# KiCad board RADAR_Main_Board.kicad_pcb (continued)
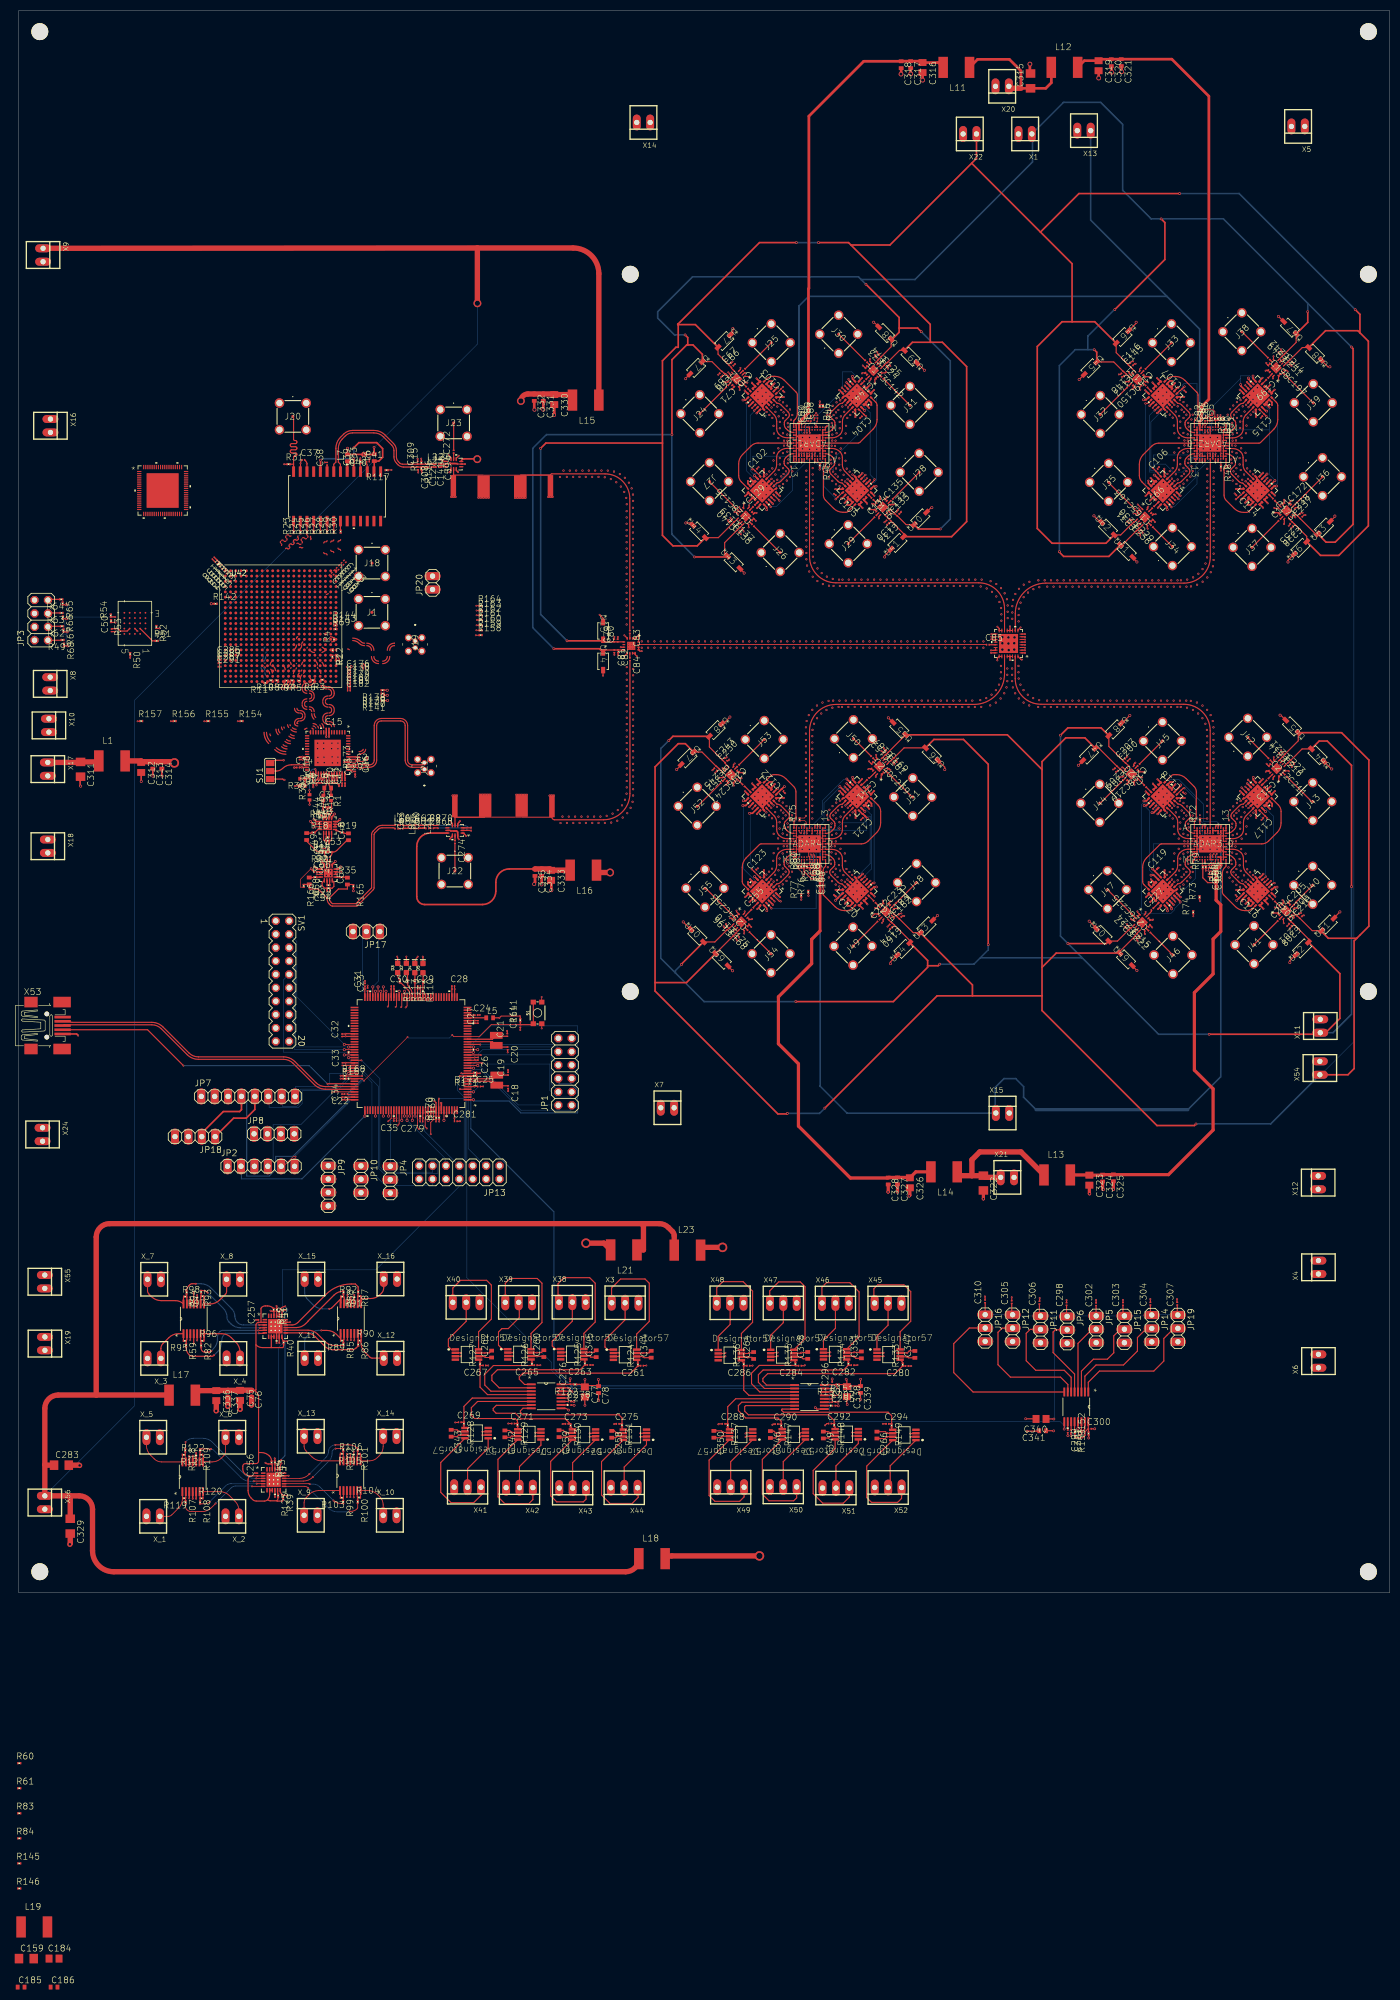
[diagram p0: board, top side]
## Routing (per net, layer and track width the routed paths; a pad name or vN(x,y) marks a point on that pad's centre or on a via; arc(x,y) is an arc through that point) (continued)
+3V4: length 1206.2
  Top w0.1: 171,125.15 171,125.15 U53.1
  Top w0.2: RF_SW_9.8 212.12,125.05 C224.1 211.7,124.52 C217.1 208.85,121.61 U49.1 ; RF_SW_1.8 136.86,202.03 C139.1 136.24,201.43 C140.1 133.9,199.11 133.9,197.1 U43.1 ; RF_SW_8.8 238.96,233.78 C251.1 240.09,234.91 C244.1 242.3,237.09 U67.1 ; U47.1 204.89,160.15 C209.1 208.36,156.72 C202.1 208.99,156.24 RF_SW_11.8 ; U53.1 169.66,125.16 C162.1 167,127.78 C183.1 166.49,128.23 RF_SW_14.8 ; RF_SW_2.8 165.38,205.39 C132.1 166.57,204.19 C133.1 168.32,202.53 U40.1 ; RF_SW_7.8 210.05,231.13 C147.1 209.57,231.57 C148.1 207.7,233.37 U45.1 ; RF_SW_10.8 242.36,128.36 C203.1 242.98,127.88 C210.1 245.35,125.55 U51.1 ; U57.1 129.6,159.42 C245.1 132.37,156.7 C252.1 132.85,156.28 RF_SW_15.8 ; U55.1 168.21,162.66 C169.1 164.47,158.92 C161.1 163.72,158.23 RF_SW_16.8 ; RF_SW_3.8 134.1,231.15 C68.1 133.43,231.59 C69.1 131.49,233.44 U17.1 ; U14.1 111.32,178.77 C81.1 C82.1 114.76,178.77 U$1.8 ; U61.1 209.34,198.7 C231.1 212.1,201.4 C230.1 212.55,201.83 RF_SW_5.8 ; RF_SW_4.8 163.05,233.78 C124.1 C125.1 165.49,236.26 U38.1 ; U59.1 135.47,124.51 C196.1 135.53,124.55 C170.1 136.01,125.09 RF_SW_13.8 ; U65.1 242.7,161.55 C223.1 240.18,158.98 C216.1 239.7,158.47 RF_SW_12.8 ; U63.1 245.97,200.77 C237.1 242.62,204.12 C238.1 242.57,204.15 RF_SW_6.8
  Top w0.3: v3(160.7,248.1) 167,241.8 167,239.8 ; U14.1 110.15,179 v3(101.5,179) ; 180.9,113.2 174.2,113.2 v3(152.9,91.9) ; 180.9,113.2 194.1,113.2 ; 180.9,113.2 180.9,115.26 171,125.15 U53.1 ; U63.1 247.97,199.2 249.7,199.2 253.1,202.6 253.1,235.9 v3(252.8,236.2) ; v3(204,235.7) 204.47,235.23 U45.1 ; 126.9,236.6 126.7,236.6 123.9,233.8 v3(123.9,219.6) ; 126.9,236.6 126.9,238 v3(126.4,238.5) ; 126.9,236.6 127.9,236.6 129.68,234.82 U17.1 ; v3(145.8,90.9) 145.7,90.8 144,90.8 120.7,114.1 120.7,115.7 ; 120.7,115.7 120.7,156.6 125.1,161 126.44,161 U57.1 ; 120.7,115.7 126.66,115.7 U59.1 ; U55.1 187.52,162.68 194.1,156.1 ; 167,239.8 170.5,239.8 v3(171.2,239.1) ; 167,239.8 167,239 165.66,237.66 U38.1 ; 194.1,118.6 196.79,121.29 U49.1 ; 194.1,118.6 194.1,156.1 ; 194.1,118.6 194.1,113.2 ; v3(244.5,242.9) 244.5,240.88 U67.1 ; 194.1,113.2 194.1,110.4 215.9,88.6 223,88.6 v3(223.3,88.9) ; 194.1,156.1 194.1,157.6 198.6,162.1 202.24,162.1 U47.1 ; 253.8,124.1 253.3,123.6 253.3,99.4 252.13,98.23 X54.1 ; 253.8,124.1 248.4,124.1 247.11,125.39 U51.1 ; 253.8,124.1 256.1,126.4 256.1,157.9 250.91,163.09 U65.1 ; v3(197.4,197.4) 197.4,197.3 198.2,196.5 206.78,196.5 U61.1 ; v3(216.7,260.5) 217.4,259.8 217.4,252.8 v3(207.9,243.3) ; v3(128.2,196.4) 134.25,196.4 U43.1 ; U40.1 170.66,201.7 v3(174.8,201.7)
  Bottom w0.1: X54.1 247,98.25 253.25,104.5 253.25,235.5 252.75,236 v3(252.8,236.2)
  Bottom w0.3: v3(197.4,197.4) 197.4,232.7 200.4,235.7 202.8,235.7 ; 244.55,244.45 244.5,244.4 v3(244.5,242.9) ; 244.55,244.45 228.5,260.5 v3(216.7,260.5) 214.8,260.5 209.4,265.9 209.4,278.4 205.2,282.6 198.17,282.6 X1.1 192.3,276.47 192.3,271.3 170,249 159.8,249 ; 244.55,244.45 v3(252.8,236.2) ; v3(174.8,201.7) 176.7,203.6 176.7,233.6 v3(171.2,239.1) ; v3(101.5,179) 97.5,183 97.5,217 100.1,219.6 v3(123.9,219.6) 123.9,200.7 v3(128.2,196.4) ; 202.8,235.7 202.8,238.3 207.8,243.3 v3(207.9,243.3) ; 202.8,235.7 v3(204,235.7) ; 159.8,249 v3(160.7,248.1) ; 159.8,249 159.3,249.5 127.8,249.5 121.2,242.9 121.2,241.7 124.4,238.5 v3(126.4,238.5) ; v3(145.8,90.9) 151.9,90.9 v3(152.9,91.9) ; X54.1 237.47,88.9 v3(223.3,88.9)
+5V0_0: length 5.1
  Top w0.1: 60,146.22 60,146.2 U4.8 ; U4.13 57.2,146.25 57.2,146.22
  Top w0.3: U8.13 56.55,137.22 v3(56.12,137.65) ; 57.2,146.22 56.43,146.22 v3(56,146.65) ; 59.99,146.22 60.49,146.22 v3(60.93,146.65) ; v3(61.05,137.65) 60.62,137.22 U8.8
+5V0_PA_1: length 5.2
  Top w0.1: 156.15,207.48 156.1,207.5 v3(156.07,207.48) ; 219.2,227.9 219.25,227.85 ADTR1107_7.8 ; 139.56,211.81 139.55,211.8 v3(139.55,211.82) ; ADTR1107_1.8 140.2,211.2 140.19,211.19 ; 156.79,208.12 156.8,208.2 ADTR1107_2.8 ; ADTR1107_4.8 159.85,224.8 159.85,224.8 ; v3(219.9,228.53) 219.9,228.5 219.83,228.53 ; v3(160.47,224.18) 160.45,224.2 160.45,224.2
  Top w0.3: v3(143.92,228.47) 143.85,228.47 ADTR1107_3.8 ; 140.2,211.18 ADTR1107_1.8 139.55,211.83 ; 156.79,208.12 156.15,207.48 ; 159.83,224.82 160.47,224.17 ; 219.83,228.53 219.18,227.88
+5V0_PA_2: length 5.8
  Top w0.1: ADTR1107_12.8 235.85,148.8 235.85,148.77 ; v3(236.5,148.12) 236.5,148.15 236.49,148.14
  Top w0.3: 236.5,148.12 235.85,148.77 ; v3(236.72,224.05) 236.57,224.05 ADTR1107_8.8 ; ADTR1107_6.8 232,207.38 v3(232,207.38) ; v3(232.03,131.18) 232.03,131.4 232.22,131.6 232.22,131.6 ADTR1107_10.8 ; v3(215.38,211.93) 215.45,211.93 ADTR1107_5.8
+5V0_PA_3: length 7.6
  Top w0.1: v3(139.57,135.8) 139.6,135.8 139.59,135.79 ; v3(143.92,152.5) 143.9,152.5 143.9,152.5 ; 143.26,151.85 143.25,151.85 ADTR1107_15.8 ; ADTR1107_16.8 159.85,148.8 159.85,148.79 ; 140.19,135.19 140.2,135.2 ADTR1107_13.8 ; v3(160.5,148.15) 160.5,148.15
  Top w0.3: ADTR1107_14.8 156.1,131.48 v3(156.07,131.48) ; 143.9,152.5 143.26,151.85 ; 140.22,135.16 ADTR1107_13.8 139.57,135.8 ; v3(220.4,153.18) 220.38,153.18 220.38,153 ADTR1107_11.8 ; v3(214.78,136.07) 215.3,136.07 ADTR1107_9.8 ; 159.85,148.79 160.5,148.15
+5V5_PA: length 5.7
  Top w0.15: OPA_3.4 v1(62.9,18.15)
  Top w0.204: OPA_4.4 v1(63,47.9) ; v1(33.2,47.25) OPA_2.4
  Top w0.25: OPA_1.4 v1(33,17.85)
-3V3_SW: length 20.1
  Top w0.1: v6(232.97,229.55) 233,229.55 232.98,229.53 ; v6(161.53,134.98) 161.5,134.95 161.49,134.96 ; 218.34,131.18 218.3,131.25 ADTR1107_9.21 ; 139.26,149.69 139.25,149.7 ADTR1107_15.21 ; ADTR1107_8.21 233.75,228.75 233.69,228.82 ; 233.03,153.43 233.05,153.45 v6(233.03,153.45) ; ADTR1107_13.21 142.3,131.25 142.34,131.2 ; 215.21,225.74 215.25,225.7 ADTR1107_7.21 ; 157.74,152.75 157.75,152.75 ADTR1107_16.21 ; ADTR1107_12.21 233.75,152.75 233.73,152.73 ; 157.71,228.77 157.75,228.75 ADTR1107_4.21 ; ADTR1107_10.21 236.75,134.3 236.8,134.25 ; v6(161.47,210.95) 161.45,210.95 161.45,210.95 ; 143.02,206.52 143,206.5 v6(143.03,206.5) ; ADTR1107_14.21 160.75,134.3 160.8,134.26 ; v6(138.57,149.03) 138.6,149.05 138.61,149.04 ; v6(237.52,134.95) 237.5,134.95 237.5,134.95 ; 160.78,210.27 160.75,210.3 ADTR1107_2.21 ; 142.31,207.23 142.3,207.25 ADTR1107_1.21 ; v6(214.57,149) 214.6,149 214.6,149 ; 236.74,210.31 236.75,210.3 ADTR1107_6.21 ; 157.04,153.44 157.05,153.45 v6(157.03,153.48) ; ADTR1107_11.21 215.25,149.7 215.27,149.68 ; 218.31,207.26 218.3,207.25 ADTR1107_5.21 ; 143.05,130.5 143.05,130.5 v6(143.05,130.48) ; v6(214.5,225.05) 214.52,225.05 ; v6(219.05,130.45) 219.05,130.47 ; v6(219,206.55) 219,206.57 ; v6(157,229.5) 157,229.48 ; v6(237.45,211) 237.43,211
  Top w0.3: 237.43,211 236.72,210.29 ; 157.74,152.75 157.03,153.46 ; 215.3,149.71 214.59,149 ; v6(138.53,225) 138.54,225 ADTR1107_3.21 ; 160.8,134.26 161.51,134.98 ; 218.29,207.28 219,206.57 ; 236.8,134.24 237.51,134.95 ; 142.31,207.23 143.03,206.52 ; 233.74,152.72 ADTR1107_12.21 233.03,153.43 ; 157.71,228.77 157,229.48 ; 142.34,131.2 143.05,130.49 ; 218.34,131.18 219.05,130.47 ; 160.75,210.24 161.46,210.95 ; 232.97,229.53 233.69,228.82 ; 214.52,225.05 215.23,225.76 ; 139.3,149.74 138.59,149.03
  In5.Cu w0.1: 245,182 247.5,182
-3V4: length 1072
  Top w0.1: U54.2 169.05,123.3 169.02,123.27
  Top w0.2: U56.2 167.93,160.2 C167.1 165.96,158.27 C152.1 165.39,157.79 RF_SW_16.5 ; RF_SW_7.5 210.99,232.31 C145.1 210.94,232.36 C146.1 208.17,235.14 U46.2 ; U54.2 169.02,123.68 C160.1 165.62,127.08 C174.1 165.52,127.08 RF_SW_14.5 ; RF_SW_15.5 134,157.25 C250.1 133.96,157.41 C243.1 131,160.37 U58.2 ; RF_SW_1.5 135.76,203.06 C137.1 135.67,203.03 C138.1 132.69,200.05 U44.2 ; RF_SW_11.5 210.54,156.76 C200.1 209.89,157.35 C207.1 206.77,160.48 U48.2 ; U52.2 244.63,123.99 C208.1 241.37,127.25 C201.1 240.82,127.74 RF_SW_10.5 ; RF_SW_9.5 210.98,126.03 C215.1 210.53,125.65 C222.1 208.41,123.57 U50.2 ; RF_SW_3.5 135.19,232.18 C66.1 C67.1 132.64,234.86 U37.2 ; RF_SW_13.5 134.88,126.08 C175.1 134.36,125.66 C168.1 132.04,123.4 U60.2 ; RF_SW_8.5 240.58,233.28 C249.1 240.68,233.32 C242.1 243.47,236.1 U68.2 ; U$1.5 114.76,180.31 C80.1 C79.1 111.24,180.31 U15.2 ; U41.2 167.85,200.83 C131.1 164.99,203.69 C130.1 164.32,204.34 RF_SW_2.5 ; U64.2 243.43,160.01 C221.1 241.27,157.89 C214.1 240.75,157.41 RF_SW_12.5 ; U66.2 244.31,200.31 C228.1 241.56,203.06 C235.1 240.97,203.61 RF_SW_6.5 ; RF_SW_5.5 211.6,202.99 C229.1 210.99,202.51 C236.1 209.02,200.58 U62.2 ; RF_SW_4.5 164.2,232.81 C73.1 164.67,233.27 C74.1 167.07,235.56 U39.2
  Top w0.3: U64.2 246.67,161.5 248.2,161.5 252.8,156.9 v3(252.8,133.9) ; v3(147.5,256) 140.5,256 125.05,240.55 ; U39.2 169.52,237.1 172.9,237.1 ; U48.2 205.3,164 199,164 v3(197.6,162.6) ; v3(125.7,119.1) 125.7,119.2 U60.2 ; 199.8,241 197.9,241 193.2,236.3 193.2,201.8 196,199 206.22,199 U62.2 ; 199.8,241 204.1,241 U46.2 ; 199.8,241 199.8,252 193.8,258 ; 254.4,238.9 254,239.3 247.88,239.3 U68.2 ; 254.4,238.9 254.4,242.4 v3(253.5,243.3) ; 254.4,238.9 256,237.3 256,202.3 250.4,196.7 246.92,196.7 U66.2 ; v3(151.7,256) 157.4,256 157.85,255.55 ; U15.2 110.66,180.5 v3(104,180.5) ; 180.75,271.05 193.8,258 ; 180.75,271.05 181.67,271.97 X22.1 ; 180.75,271.05 165.25,255.55 157.85,255.55 ; 193.8,258 201.1,265.3 v3(220.2,265.3) ; 125.05,240.55 125.1,240.55 125.1,236.15 124.65,236.15 122.1,233.6 122.1,218 ; 125.05,240.55 125,240.5 125,240.45 128.34,240.45 U37.2 ; U41.2 176.95,200.25 179.8,203.1 179.8,232.5 175.2,237.1 172.9,237.1 ; U52.2 250.6,117.4 250.6,108.9 247.9,106.2 X11.1 246.58,105.9 v3(225.8,105.9) ; U58.2 124.1,162.4 v3(123.3,161.6) ; 157.85,255.55 172.9,240.5 172.9,237.1 ; 172.4,118.9 172.4,118.6 165.9,112.1 v3(147.4,112.1) ; 172.4,118.9 172.4,119.9 U54.2 ; 172.4,118.9 174.4,118.9 v3(174.7,119.2) ; v3(99,217) 100,218 122.1,218 ; U44.2 128.7,198.5 124.1,198.5 122.1,200.5 122.1,218 ; U50.2 206.3,123.1 v3(199,123.1) ; U56.2 173.59,161.8 179.2,161.8 183.9,157.1 v3(183.9,122.9)
  In7.Cu w0.1: v3(104,180.5) 104,179.75 115,168.75 116.25,168.75 123.25,161.75 v3(123.3,161.6)
  Bottom w0.1: v3(199,123.1) 199,123.25 198.92,123.18
  Bottom w0.3: v3(125.7,119.1) 124.55,117.95 124.55,117.55 ; 124.55,117.55 121.8,120.3 121.8,160.1 v3(123.3,161.6) ; 124.55,117.55 130,112.1 v3(147.4,112.1) ; X11.1 249.3,106.2 252.8,109.7 v3(252.8,133.9) ; 182.4,120.4 183.9,121.9 v3(183.9,122.9) ; 182.4,120.4 201.7,120.4 ; 182.4,120.4 181.2,119.2 v3(174.7,119.2) ; 201.7,120.4 216.2,105.9 v3(225.8,105.9) ; 201.7,120.4 v3(199,123.1) 197.6,124.5 v3(197.6,162.6) ; v3(99,217) 99,185.5 v3(104,180.5) ; v3(253.5,243.3) 231.5,265.3 v3(220.2,265.3) ; v3(147.5,256) v3(151.7,256)
-5V0_ADAR12: length 169.3
  Top w0.3: ADAR1_0.B11 v6(148,216) ; ADAR2_0.B11 v6(224,216)
  Bottom w0.3: X13.1 203.33,260.27 217.8,245.8 ; 217.8,245.8 149.8,245.8 148,244 v6(148,216) ; 217.8,245.8 224,239.6 v6(224,216)
-5V0_ADAR34: length 185.2
  Top w0.3: ADAR3_0.B11 v6(228,143.95) ; ADAR4_0.B11 v6(152,144)
  Bottom w0.3: 192.96,91.6 190.6,93.96 190.6,96 189.1,97.5 186.9,97.5 185.2,95.8 185.2,91.11 X15.1 157.08,90.97 152,96.05 v6(152,144) ; 221.75,91.6 228,97.85 v6(228,143.95)
  Bottom w0.6: 221.75,91.6 192.96,91.6
-5V5_PA: length 6.1
  Top w0.15: v1(62.9,26.35) OPA_3.11
  Top w0.204: v1(33.2,57.05) OPA_2.11 ; OPA_4.11 v1(63,56.15)
  Top w0.25: v1(33,26) OPA_1.11
GND: length 1005.4
  Top w0.1: ADTR1107_15.15 139.7,152.7 139.68,152.73 ; 142.77,149.77 142.75,149.75 ADTR1107_15.4 142.9,149.65 142.9,149.6 143.2,149.3 v6(143.19,149.3) ; ADTR1107_1.6 141.4,211.65 141.32,211.72 ; 215.1,224.72 v1(215.1,224.68) ; v1(236.9,206.55) 236.9,206.62 ; 237.36,229 v1(237.42,229) 237.45,229 ; ADTR1107_6.10 233.75,207.25 233.72,207.22 ; 158.19,130.79 158.2,130.8 ADTR1107_14.11 ; C106.2 216,213.1 215.98,213.15 ; v1(235.72,146.54) 235.75,146.55 235.75,146.55 ; ADTR1107_2.18 161.65,208.65 161.72,208.58 ; 160.92,206.57 160.95,206.5 v1(160.92,206.5) ; ADTR1107_13.15 139.25,131.7 139.28,131.64 ; v1(143.38,131.07) 143.35,131.1 143.35,131.1 ; 158.68,135.64 158.65,135.65 ADTR1107_14.1 ; ADTR1107_1.13 138.35,208.65 138.36,208.61 ; v6(156.71,134.8) 156.7,134.8 157.15,134.35 157.2,134.35 ADTR1107_14.4 157.3,134.25 157.31,134.26 ; ADTR1107_16.9 160.3,149.25 160.31,149.25 ; 217.34,224.38 217.4,224.35 ADTR1107_7.1 217.45,224.3 217.8,223.95 v6(217.8,223.93) ; v6(142.74,148.85) 142.75,148.85 142.45,149.15 142.45,149.2 ADTR1107_15.3 142.3,149.25 142.33,149.28 ; ADTR1107_6.22 236.3,210.75 236.28,210.77 ; v6(149.32,147.3) 149.3,147.3 149.3,147.2 149,146.9 148.15,146.9 R75.2 ; 235.38,206.37 235.4,206.35 ADTR1107_6.13 ; RF_SW_12.17 238.55,156.25 238.3,156.5 v1(238.35,156.55) ; 161.41,152.93 161.45,152.9 v1(161.47,152.93) ; C90.2 150.26,222.68 C91.2 150.26,223.11 v6(150.27,223.12) ; ADTR1107_10.15 236.3,131.25 236.36,131.19 ; 235.39,153.69 235.4,153.65 ADTR1107_12.18 ; v6(157.26,148.85) 157.3,148.85 157.6,149.15 157.6,149.2 ADTR1107_16.4 157.75,149.3 157.77,149.28 ; 235.34,229.79 235.4,229.65 ADTR1107_8.18 ; 218.26,225.3 218.3,225.25 ADTR1107_7.3 218.4,225.25 218.4,225.2 218.75,224.85 218.75,224.8 v6(218.74,224.8) ; 216.59,229.71 216.65,229.65 ADTR1107_7.13 ; v6(232.71,210.75) 232.75,210.75 233.1,210.4 233.1,210.35 ADTR1107_6.4 233.3,210.25 233.28,210.23 ; 217.88,153.21 217.85,153.2 ADTR1107_11.11 ; 230.68,208.43 230.65,208.4 v1(230.63,208.43) ; 219.33,207.15 v1(219.38,207.15) ; 215.7,131.2 215.75,131.25 ADTR1107_9.16 ; v1(232.65,228.95) 232.65,228.95 ; U4.9 59.35,146.9 59.35,146.9 ; v6(158.15,212.02) 158.15,212.05 158.2,212.05 158.55,211.7 ADTR1107_2.1 158.65,211.65 158.63,211.62 ; 143.79,150.73 143.7,150.65 ADTR1107_15.6 ; ADTR1107_14.25 159,134.5 158.9,134.6 ; 214.31,208.54 214.4,208.45 214.47,208.52 ; v6(225.42,146.81) 225.4,146.85 224.1,146.85 R72.2 ; ADTR1107_4.10 160.75,225.7 160.73,225.72 ; 231.09,132.04 231.05,132 C116.2 ; v1(214.55,207.1) 214.62,207.1 ; 214.79,208.2 214.8,208.2 ADTR1107_5.14 ; v6(219.19,149.25) 219.2,149.25 219.2,149.3 218.9,149.6 218.9,149.65 ADTR1107_11.4 218.75,149.75 218.75,149.75 ; 215.23,228.38 215.25,228.3 ADTR1107_7.16 ; 139.76,134.7 139.75,134.75 ADTR1107_13.9 ; RF_SW_5.17 213.55,203.9 213.3,204.15 v1(213.35,204.2) ; ADTR1107_9.22 218.75,131.7 218.8,131.64 ; ADTR1107_16.11 161.2,150.2 161.23,150.17 ; v1(138.6,131.03) 138.6,131.05 138.67,131.03 ; 157.25,207.66 157.25,207.7 ADTR1107_2.9 ; 139.3,152.35 139.25,152.3 ADTR1107_15.16 ; ADTR1107_14.6 156.35,133.35 156.31,133.27 ; 214.87,133.78 214.8,133.85 ADTR1107_9.11 ; U4.12 57.85,146.9 57.85,146.9 ; 159.49,206.41 159.5,206.4 159.47,206.28 ; 237.67,151.37 237.65,151.35 ADTR1107_12.13 ; U4.7 60,145.75 59.99,145.72 ; 215.67,207.28 215.75,207.25 ADTR1107_5.16 ; 236.69,225.76 236.75,225.7 ADTR1107_8.10 ; 237.65,227.55 237.55,227.65 237.49,227.59 ; ADTR1107_5.13 214.35,208.6 214.33,208.56 ; 159.76,146.59 159.75,146.6 v1(159.72,146.57) ; 157.26,152.31 157.25,152.3 ADTR1107_16.22 ; ADTR1107_15.9 142.75,152.3 142.78,152.33 ; v1(219.38,131.05) 219.35,131.05 219.37,131.07 ; v1(215.17,148.62) 215.2,148.65 215.18,148.67 ; 158.71,224.28 158.65,224.35 ADTR1107_4.6 ; ADTR1107_5.15 215.3,207.7 215.28,207.68 ; v6(155.81,226.1) 155.8,226.1 156.25,226.55 ADTR1107_4.1 156.35,226.65 156.34,226.66 ; 59.99,145.25 60,145.25 U4.6 ; ADTR1107_10.14 235.85,130.8 235.88,130.74 ; RF_SW_15.17 134.85,154.85 v1(134.8,154.85) ; v1(214.6,131) 214.67,131 ; C115.2 235.9,223.1 235.9,223.1 ; ADTR1107_2.15 160.3,207.25 160.34,207.21 ; 236.77,149.68 236.75,149.7 ADTR1107_12.10 ; 235.46,206.44 235.45,206.45 235.44,206.33 ; 139.26,207.67 139.25,207.7 ADTR1107_1.15 ; v6(220.24,209.9) 220.2,209.9 219.75,209.45 219.7,209.45 ADTR1107_5.1 219.65,209.4 219.64,209.42 ; ADTR1107_16.14 161.25,151.85 161.23,151.83 ; ADTR1107_7.15 215.7,228.7 215.63,228.78 ; 141.41,148.36 141.4,148.35 ADTR1107_15.1 ; 236.97,130.57 237,130.5 v1(236.97,130.5) ; ADTR1107_13.16 139.7,131.3 139.66,131.26 ; v6(232.81,149.25) 232.8,149.25 233.15,149.6 233.15,149.65 ADTR1107_12.3 233.25,149.7 233.28,149.69 ; v6(156.76,210.7) 156.8,210.7 157.15,210.35 157.15,210.3 ADTR1107_2.4 157.3,210.25 157.27,210.22 ; RF_SW_4.17 162.1,231.75 162.05,231.75 v1(161.75,232.05) ; 218.32,149.27 218.3,149.25 ADTR1107_11.3 218.45,149.2 218.45,149.15 218.75,148.85 218.75,148.8 v6(218.74,148.8) ; ADTR1107_2.22 160.3,210.75 160.32,210.73 ; v1(224.07,131.14) 223.99,131.22 R73.1 ; v1(240.85,205.45) 240.8,205.45 RF_SW_6.17 ; 233.23,225.79 233.25,225.7 ADTR1107_8.3 233.2,225.65 232.8,225.25 v6(232.81,225.25) ; 158.16,206.76 158.2,206.8 ADTR1107_2.11 ; 138.51,208.46 138.45,208.4 138.35,208.5 ; ADTR1107_9.10 215.25,134.3 215.32,134.23 ; 162.24,152.01 162.25,152 v1(162.28,152.03) ; 161.69,227.51 161.6,227.6 161.53,227.53 ; ADTR1107_8.16 236.3,228.75 236.34,228.79 ; 233.73,131.23 233.75,131.25 ADTR1107_10.10 ; 145.06,151.89 145.05,151.95 145.05,152 C122.2 ; 160.35,152.75 160.3,152.7 ADTR1107_16.16 ; ADTR1107_7.11 217.85,229.2 217.86,229.21 ; 216.29,213.46 216.3,213.45 v1(216.31,213.46) ; 237.77,132.58 237.65,132.65 ADTR1107_10.18 ; 142.77,210.26 142.75,210.3 ADTR1107_1.3 142.85,210.35 142.85,210.4 143.2,210.75 v6(143.24,210.75) ; v1(232.65,152.85) 232.69,152.85 ; ADTR1107_13.11 138.8,133.85 138.86,133.79 ; 234.68,135.62 234.65,135.65 ADTR1107_10.1 234.55,135.65 234.55,135.7 234.15,136.1 234.1,136.1 v6(234.1,136.07) ; R57.2 147.86,137.29 148.84,136.32 v6(148.84,135.96) ; 230.97,208.14 231,208.1 C114.2 ; ADTR1107_1.22 142.75,207.7 142.77,207.69 ; 232.38,150.58 232.35,150.6 ADTR1107_12.1 232.3,150.55 232.25,150.55 231.8,150.1 v6(231.76,150.15) ; ADTR1107_1.11 138.8,209.85 138.83,209.82 ; 215.28,131.62 215.3,131.7 ADTR1107_9.15 ; 214.79,209.86 214.8,209.85 ADTR1107_5.11 ; 232.31,133.24 232.35,133.35 ADTR1107_10.6 ; ADTR1107_4.14 161.25,227.85 161.23,227.83 ; 160.04,146.87 160.1,146.95 C121.2 ; 237.54,151.49 237.6,151.55 237.7,151.45 ; v6(219.19,225.25) 219.2,225.25 219.2,225.3 218.85,225.65 218.85,225.7 ADTR1107_7.4 218.7,225.75 218.72,225.77 ; ADTR1107_6.11 234.2,206.8 234.15,206.79 ; 215.12,153.38 215.15,153.45 v1(215.12,153.45) ; 216.15,229.26 216.2,229.2 ADTR1107_7.14 ; 160.92,135.31 160.95,135.35 v1(160.92,135.35) ; ADTR1107_2.13 159.4,206.35 159.42,206.33 ; v6(219.19,210.8) 219.2,210.8 219.2,210.75 218.85,210.4 ADTR1107_5.3 218.75,210.3 218.74,210.31 ; v1(163.6,205.6) RF_SW_2.17 ; 160.77,228.33 160.75,228.3 ADTR1107_4.15 ; 140.22,153.23 140.2,153.2 ADTR1107_15.14 ; v1(145.39,151.59) 145.35,151.6 145.35,151.6 ; 233.23,228.36 233.25,228.3 ADTR1107_8.22 ; ADTR1107_1.14 138.8,208.2 138.78,208.18 ; ADTR1107_15.10 142.3,152.75 142.33,152.78 ; 139.66,207.26 139.7,207.3 ADTR1107_1.16 ; ADTR1107_8.14 237.25,227.85 237.24,227.84 ; RF_SW_12.9 238.2,157.75 238.25,157.75 238.25,157.8 239.3,158.85 C216.2 239.35,158.9 239.8,159.35 C223.2 ; 214.36,132.44 214.45,132.35 214.52,132.42 ; 215.69,225.3 215.75,225.25 ADTR1107_7.22 ; ADTR1107_7.9 218.75,228.3 218.72,228.34 ; 157.76,134.72 157.75,134.75 ADTR1107_14.3 157.65,134.8 157.6,134.8 157.15,135.25 v6(157.16,135.25) ; ADTR1107_6.18 237.65,208.65 237.69,208.63 ; 230.84,132.29 230.85,132.3 v1(230.82,132.32) ; ADTR1107_15.18 138.35,151.35 138.33,151.39 ; ADTR1107_13.10 139.25,134.3 139.31,134.24 ; ADTR1107_7.18 214.35,227.35 214.26,227.42 ; ADTR1107_11.22 215.75,149.25 215.75,149.25 ; ADTR1107_2.14 159.85,206.8 159.83,206.74 ; 160.78,152.32 160.75,152.3 ADTR1107_16.15 ; ADTR1107_5.6 217.35,211.65 217.29,211.77 ; ADTR1107_6.9 233.25,207.7 233.24,207.69 ; v1(139.17,148.65) 139.2,148.65 139.17,148.69 ; 216.51,229.72 216.5,229.6 216.49,229.61 ; C89.2 150.97,223.38 v6(151.26,223.67) 151.49,223.43 C88.2 ; 218.33,134.67 218.3,134.7 ADTR1107_9.4 218.4,134.8 218.4,134.85 218.75,135.2 218.75,135.25 v6(218.74,135.25) ; ADTR1107_9.9 215.75,134.75 215.76,134.67 ; 139.28,210.27 139.25,210.3 ADTR1107_1.10 ; 158.73,148.26 158.65,148.35 ADTR1107_16.6 ; v1(215.05,229.5) 215.05,229.43 ; 159.43,130.32 159.4,130.35 ADTR1107_14.13 ; 60.06,145.65 60,145.6 59.99,145.6 ; v1(240.55,129.55) 240.55,129.5 RF_SW_10.17 ; 218.8,134.21 218.75,134.3 ADTR1107_9.3 218.85,134.35 218.85,134.4 219.2,134.75 219.2,134.8 v6(219.19,134.8) ; ADTR1107_14.18 161.65,132.65 161.77,132.61 ; v6(156.86,225.2) 156.85,225.2 156.8,225.25 157.15,225.6 157.15,225.65 ADTR1107_4.3 157.25,225.7 157.25,225.74 ; 237.17,226.23 237.2,226.2 ADTR1107_8.11 ; v3(55.48,137.28) 55.35,137.2 53.4,135.25 53.4,133.8 54.05,133.8 R166.2 ; 215.69,152.71 215.7,152.7 ADTR1107_11.15 ; v6(155.76,150.2) 155.8,150.15 155.85,150.15 156.25,150.55 156.3,150.55 ADTR1107_16.1 156.35,150.6 156.38,150.61 ; v6(234.1,212.07) 234.1,212.1 234.15,212.1 234.5,211.75 ADTR1107_6.1 234.65,211.65 234.64,211.64 ; ADTR1107_10.11 234.2,130.8 234.18,130.78 ; v6(233.16,135.2) 233.2,135.2 233.65,134.75 ADTR1107_10.3 233.75,134.75 233.76,134.7 ; 157.74,131.24 157.75,131.25 ADTR1107_14.10 ; 233.69,225.33 233.7,225.3 ADTR1107_8.4 233.65,225.2 233.25,224.8 v6(233.26,224.8) ; ADTR1107_16.10 160.75,149.7 160.76,149.69 ; 216.68,130.21 216.65,130.35 ADTR1107_9.18 ; 218.77,152.32 218.75,152.3 ADTR1107_11.9 ; v6(233.16,211.2) 233.2,211.2 233.55,210.85 233.55,210.8 ADTR1107_6.3 233.75,210.75 233.72,210.72 ; v1(164.2,128.95) RF_SW_14.17 ; 235.8,206.79 235.85,206.8 ADTR1107_6.14 ; 216.22,153.21 216.2,153.2 ADTR1107_11.14 ; 236.85,211.33 v1(236.85,211.38) ; 140.55,153.55 140.54,153.56 ; 140.55,153.55 140.58,153.69 ; 140.55,153.55 ADTR1107_15.13 ; 141.34,135.69 141.4,135.65 ADTR1107_13.6 ; ADTR1107_5.18 216.65,206.35 216.63,206.31 ; ADTR1107_5.9 215.75,210.75 215.71,210.77 ; ADTR1107_9.6 217.4,135.65 217.34,135.67 ; 142.8,131.66 142.75,131.7 ADTR1107_13.22 ; v1(237.47,152.9) 237.41,152.9 ; v1(213.72,207.95) 213.75,207.95 213.75,207.98 ; R74.1 222.78,128.29 v1(222.79,128.27) ; ADTR1107_4.22 157.25,228.3 157.25,228.31 ; ADTR1107_16.13 161.65,151.35 161.69,151.47 ; v1(156.65,152.88) 156.65,152.85 156.69,152.88 ; v1(210.8,155) RF_SW_11.17 ; 236.3,207.25 ADTR1107_6.15 ; v6(142.79,211.2) 142.75,211.2 142.4,210.85 142.4,210.8 ADTR1107_1.4 142.3,210.7 142.3,210.7 ; ADTR1107_14.9 157.25,131.7 157.3,131.69 ; 237.23,150.15 237.2,150.2 ADTR1107_12.11 ; v1(135.9,229.85) 135.9,229.9 RF_SW_3.17 ; ADTR1107_8.9 236.3,225.25 236.26,225.33 ; ADTR1107_15.25 141.1,149.5 141.2,149.4 ; 236.92,135.28 236.9,135.3 v1(236.92,135.32) ; 236.32,149.23 236.3,149.25 ADTR1107_12.9 ; v6(157.21,211.15) 157.25,211.15 157.6,210.8 157.6,210.75 ADTR1107_2.3 157.75,210.75 157.71,210.7 ; 236.04,146.85 236.05,146.9 236.05,146.95 C117.2 ; 138.78,132.18 138.8,132.2 ADTR1107_13.14 ; ADTR1107_11.6 219.65,150.65 219.79,150.71 ; ADTR1107_11.16 215.25,152.3 215.3,152.33 ; ADTR1107_6.16 236.7,207.7 236.72,207.67 ; ADTR1107_5.10 215.25,210.3 215.24,210.31 ; ADTR1107_14.14 159.85,130.8 159.88,130.77 ; 234.68,224.33 234.65,224.35 ADTR1107_8.6 ; 214.77,132.17 214.8,132.2 ADTR1107_9.14 ; 142.8,134.24 142.75,134.3 ADTR1107_13.3 142.85,134.35 142.85,134.4 143.25,134.8 143.2,134.85 v6(143.19,134.85) ; ADTR1107_12.6 234.65,148.35 234.73,148.23 ; 218.23,210.72 218.25,210.7 ADTR1107_5.4 218.4,210.85 218.75,211.2 218.75,211.25 v6(218.74,211.25) ; 138.35,132.45 138.45,132.35 138.53,132.43 ; ADTR1107_11.18 214.35,151.35 214.33,151.37 ; ADTR1107_2.16 160.75,207.7 160.75,207.62 ; 236.35,152.72 236.3,152.7 ADTR1107_12.16 ; ADTR1107_12.22 233.25,152.3 233.25,152.3 ; v1(138.15,203.9) 138.2,203.95 137.95,204.2 RF_SW_1.17 ; 236.76,152.31 236.75,152.3 ADTR1107_12.15 ; ADTR1107_7.10 218.3,228.75 218.31,228.76 ; v1(162.95,157) 162.9,156.95 163.2,156.65 RF_SW_16.17 ; ADTR1107_13.18 140.65,130.35 140.68,130.23 ; 214.38,132.56 214.35,132.65 ADTR1107_9.13 ; 156.26,209.24 156.35,209.35 ADTR1107_2.6 ; 216.58,153.57 216.6,153.55 216.58,153.67 ; 232.23,209.29 232.35,209.35 ADTR1107_6.6 ; 233.3,131.66 233.25,131.7 ADTR1107_10.9 ; RF_SW_13.17 137,127.15 136.75,127.4 v1(136.8,127.45) ; 160.36,131.21 160.3,131.25 ADTR1107_14.15 ; 159.37,229.74 159.4,229.65 ADTR1107_4.18 ; 139.74,149.26 139.75,149.25 ADTR1107_15.22 ; v1(235.58,222.78) 235.6,222.8 235.6,222.8 ; 157.28,149.71 157.25,149.7 ADTR1107_16.3 157.15,149.65 157.15,149.6 156.85,149.3 v6(156.81,149.3) ; 237.64,227.44 237.65,227.35 ADTR1107_8.13 ; 218.32,152.77 218.3,152.75 ADTR1107_11.10 ; v6(232.71,134.75) 232.75,134.75 233.2,134.3 ADTR1107_10.4 233.3,134.25 233.3,134.24 ; ADTR1107_5.22 218.75,207.7 218.77,207.72 ; ADTR1107_10.22 236.3,134.75 236.35,134.7 ; v6(157.31,224.75) 157.3,224.75 157.25,224.8 157.6,225.15 157.6,225.2 ADTR1107_4.4 157.75,225.3 157.74,225.31 ; 141.88,153.23 141.85,153.2 ADTR1107_15.11 ; v1(161.45,228.95) 161.38,228.95 ; 161.67,227.39 161.65,227.35 ADTR1107_4.13 ; ADTR1107_4.11 161.2,226.2 161.21,226.19 ; 235.52,130.28 235.55,130.4 235.54,130.41 ; ADTR1107_2.10 157.75,207.25 157.71,207.21 ; ADTR1107_7.6 219.65,226.65 219.72,226.76 ; v1(212.45,230.4) RF_SW_7.17 ; ADTR1107_14.16 160.75,131.7 160.8,131.65 ; 159.52,130.31 159.55,130.45 159.56,130.44 ; 142.32,134.68 142.3,134.7 ADTR1107_13.4 142.4,134.8 142.4,134.85 142.8,135.25 142.75,135.3 v6(142.74,135.3) ; 160.97,130.59 161,130.55 v1(160.97,130.53) ; 161.74,151.51 161.65,151.6 161.56,151.51 ; v6(217.8,147.93) 217.8,147.95 217.5,148.25 ADTR1107_11.1 217.4,148.35 217.4,148.35 ; RF_SW_8.17 238.55,232.3 238.8,232.05 v1(238.8,232) ; ADTR1107_12.14 237.25,151.85 237.23,151.8 ; R77.1 148.42,131.43 v6(148.42,131.43) ; 160.29,225.28 160.3,225.25 ADTR1107_4.9 ; v6(149.79,132.18) 149.83,132.22 149.83,132.58 ; ADTR1107_11.13 216.65,153.65 216.66,153.64 ; 159.39,153.72 159.4,153.65 ADTR1107_16.18 ; ADTR1107_10.16 236.75,131.7 236.8,131.62 ; 138.38,132.58 138.35,132.65 ADTR1107_13.13 ; 140.66,206.26 140.65,206.35 ADTR1107_1.18 ; ADTR1107_10.13 235.4,130.35 235.44,130.31 ; v1(138.57,207.05) 138.64,207.05 ; 156.68,228.88 156.7,228.9 v1(156.67,228.9) ; ADTR1107_1.9 139.75,210.75 139.74,210.72 ; 151.95,225.86 v6(151.96,225.87) ; 233.78,149.27 233.75,149.3 ADTR1107_12.4 233.6,149.2 233.6,149.15 233.25,148.8 v6(233.26,148.8) ; ADTR1107_14.22 160.3,134.75 160.34,134.72 ; RF_SW_9.17 213.05,127.05 212.8,127.3 v1(212.85,127.35) ; 160.35,228.75 160.3,228.7 ADTR1107_4.16 ; 236.74,228.38 236.75,228.3 ADTR1107_8.15 ; v1(143.4,207.1) 143.36,207.1 ; v1(160.88,211.32) 160.85,211.3 160.87,211.28 ; 139.12,153.41 139.15,153.45 v1(139.12,153.48) ; 75.7,120.6 v1(75.68,120.63)
  Top w0.15: v1(225.67,136.92) 225.67,137.4 C94.2 226.16,137.42 C95.2 ; ADAR4_0.D2 147.82,143.18 v3(148.6,143.18) ; ADAR4_0.D2 ADAR4_0.D1 ; ADAR4_0.D2 ADAR4_0.C2 ADAR4_0.B2 ; ADAR4_0.D2 ADAR4_0.E2 ADAR4_0.F2 ; ADAR4_0.B2 ADAR4_0.A2 147.52,145.02 v1(147.52,145.52) ; ADAR4_0.B2 ADAR4_0.B1 ; v1(149.47,143.97) 149.5,144 ADAR4_0.B6 ; ADAR4_0.G2 147.53,142.03 v3(148.6,142.03) ; ADAR4_0.G2 ADAR4_0.H2 ; ADAR4_0.G2 ADAR4_0.F2 ; v1(225.17,136.92) 225.17,137.35 R56.2 ; v3(151.3,141.98) 152.47,141.98 ADAR4_0.G12 ; C92.2 225.46,222.74 ; 225.46,222.74 225.46,222.97 v1(225.27,223.16) ; 225.46,222.74 C93.2 ; v3(149.97,140.95) 149.85,140.82 149.85,139.65 ADAR4_0.M7 ADAR4_0.N7 ADAR4_0.N8 ; v1(150.47,143.97) 150.5,144 ADAR4_0.B8 ADAR4_0.A8 ; 152.55,142.5 152.55,142.95 ADAR4_0.E12 ; 152.55,142.5 ADAR4_0.F12 ADAR4_0.G12 ; 152.55,142.5 ADAR4_0.F13 ; S1.1 99.21,107.03 v1(99.19,107.01) ; v3(149.75,142.03) 149.78,142 ADAR4_0.89 ; ADAR4_0.H13 ADAR4_0.H12 ; ADAR4_0.H12 ADAR4_0.G12 ; ADAR4_0.H12 ADAR4_0.J12 ; v1(58.57,147.65) 58.57,148.02 C46.1 ; S1.2 99.19,112.02 v1(99.19,112.96) ; U69.25 47.62,20.71 arc(47.61,20.7) 47.6,20.7 ; U69.25 49.09,20.7 arc(49.13,20.63) 49.15,20.55 ; U69.25 48.99,22.08 arc(49.11,22.16) 49.25,22.19 ; U69.25 arc(48.39,21.38) 48.4,21.32 ; U69.25 arc(48.43,21.86) 48.68,22.23 ; v1(63.55,26.8) OPA_3.10 ; ADAR4_0.K12 ADAR4_0.L12 ADAR4_0.M12 ; ADAR4_0.K12 ADAR4_0.J12 ; ADAR4_0.K12 ADAR4_0.K13 ; v1(57.73,141.12) 58.15,141.12 C53.1 ; ADAR4_0.F1 ADAR4_0.F2 ; v3(151.3,143.1) 152.4,143.1 ADAR4_0.E12 ; ADAR4_0.D12 ADAR4_0.C12 ADAR4_0.B12 ; ADAR4_0.D12 ADAR4_0.E12 ; ADAR4_0.D12 ADAR4_0.D13 ; ADAR4_0.J12 152.45,140.95 v3(151.3,140.95) ; v1(225.94,135.39) 226.23,135.68 C96.2 226.23,135.79 C97.2 ; ADAR4_0.N12 ADAR4_0.M12 ; ADAR4_0.M12 ADAR4_0.M13 ; 55.7,145.93 55.9,145.73 C47.1 ; v6(151.96,225.87) 151.96,225.29 151.96,225.28 ; ADAR4_0.B6 ADAR4_0.A6 ; ADAR4_0.B6 ADAR4_0.B7 ; ADAR4_0.H2 ADAR4_0.J2 ; ADAR4_0.H2 ADAR4_0.H1 ; ADAR4_0.J2 ADAR4_0.K2 ; ADAR4_0.J2 148.57,141 v3(148.6,140.98) ; 151.96,225.28 R47.1 ; 151.96,225.28 R46.1 ; 223.98,131.63 R73.1 ; ADAR4_0.B13 ADAR4_0.B12 ; ADAR4_0.B12 ADAR4_0.A12 ADAR4_0.A13 153,145.56 v1(152.99,145.57) ; v1(151.49,143.97) 151.5,143.97 ADAR4_0.B10 ADAR4_0.B9 ; R55.2 227.39,222.87 v1(227.39,223.31) ; R71.1 228.5,222.87 R70.1 227.94,222.88 v1(227.94,223.31) ; v1(228.04,212.76) 228.04,213.25 R48.2 ; OPA_3.3 v1(62.25,18.15) ; ADAR4_0.N1 ADAR4_0.M1 ADAR4_0.M2 ADAR4_0.L2 ADAR4_0.K2 ; ADAR4_0.K2 ADAR4_0.K1 ; v1(62.25,26.35) OPA_3.12 ; OPA_3.5 v1(63.55,18.1) ; v3(59.02,144.98) 59.02,145.05 U4.17 ; v1(226.34,223.63) 226.36,223.61 C86.2 225.92,223.25 C87.2 ; v6(150.06,136.41) 150.41,136.06 C101.2 C100.2
  Top w0.152: R33.2 64.8,214.74 v1(64.8,215.12) ; R160.1 87.35,183.45 v1(86.85,183.45) ; C41.2 66.47,214.5 v1(66.47,214.98) ; R158.1 87.32,181.55 v1(86.7,181.55) ; v1(86.85,185.35) 87.35,185.35 R162.1 ; R45.2 151.96,213.03 v6(151.93,213) ; R163.1 87.35,186.25 v1(86.85,186.25) ; v1(86.8,182.5) 87.35,182.5 R159.1 ; v1(70.7,212.9) 70.06,212.9 R117.1 ; v1(86.9,184.45) 87.35,184.45 R161.1 ; v1(86.8,187.15) 87.35,187.15 R164.1 ; C103.2 145.23,227.64 v1(145.23,227.63) ; 231.09,132.04 230.82,132.31